# Altium PCB 3CHOE.PcbDoc (part 1 of 3) (continued)
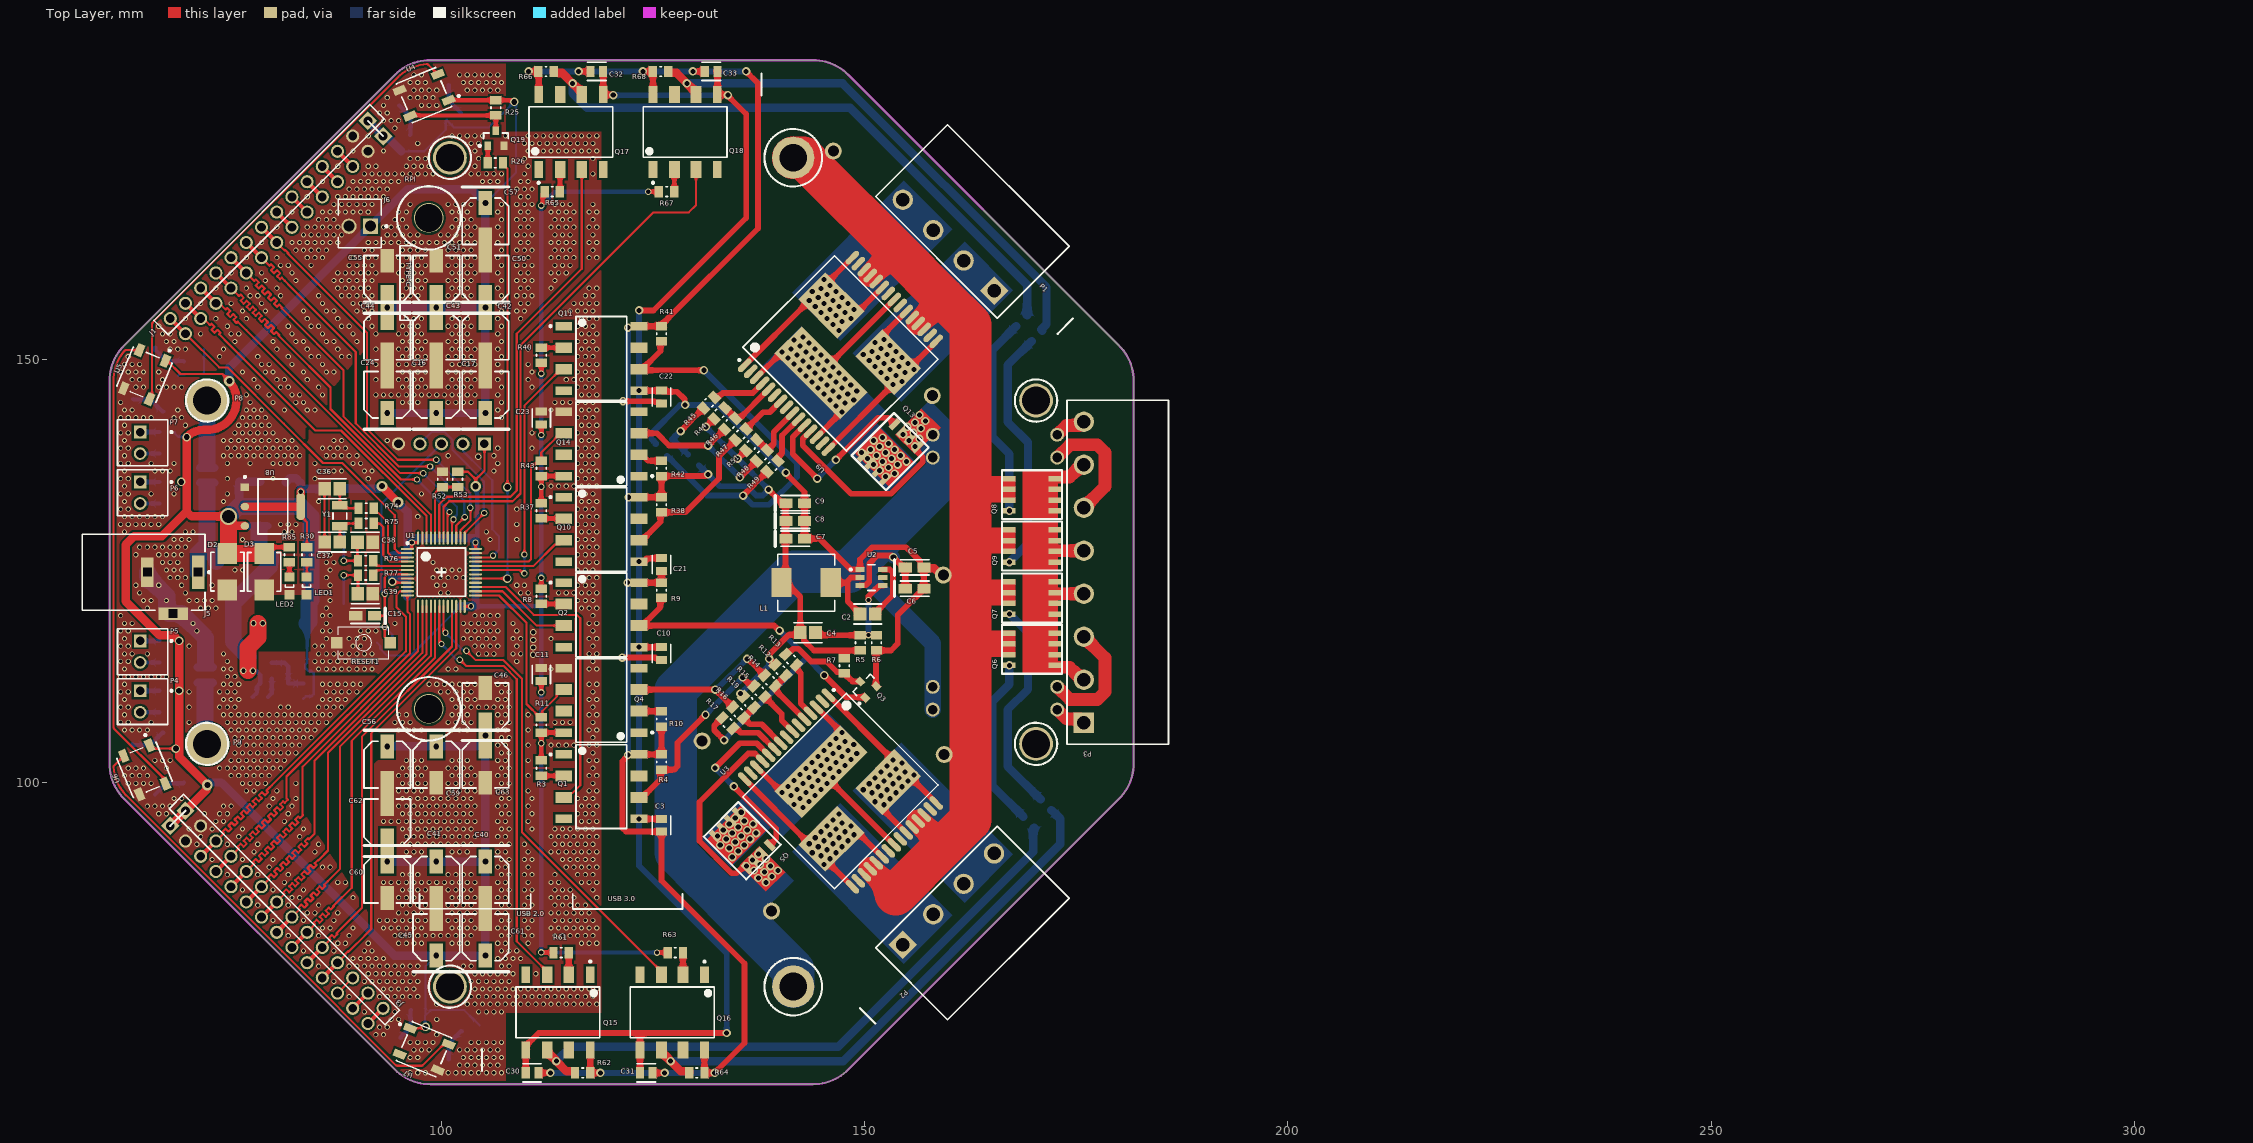
[diagram p0: Top Layer view]
## Components (designator, comment, footprint, x,y, rotation, side; value= is the part's Value field where it differs from the comment) (continued)
R3 "220" RESC2013X60X35NL10T20 111.8,101.7 r270 top
R4 "390" RESC2013X60X35NL10T20 126,102.41 r90 top
R5 "100k" RESC2013X60X35NL10T20 149.5,116.5 r90 top
R6 "22k" RESC2013X60X35NL10T20 151.4,116.5 r270 top
R7 "10k" RESC2013X60X35NL10T20 147.6,113.8 r90 top
R8 "220" RESC2013X60X35NL10T20 111.8,122 r270 top
R9 "390" RESC2013X60X35NL10T20 126,122.7 r90 top
R10 "220" RESC2013X60X35NL10T20 126,107.5 r90 top
R11 "390" RESC2013X60X35NL10T20 111.8,106.79 r90 top
R12 "3.3k" RESC2013X60X35NL10T20 140.058,113.262 r315 top locked
R13 "1k" RESC2013X60X35NL10T20 141.308,114.512 r135 top locked
R14 "1k" RESC2013X60X35NL10T20 138.808,112.012 r135 top locked
R15 "1k" RESC2013X60X35NL10T20 137.558,110.762 r135 top locked
R16 "1k" RESC2013X60X35NL10T20 135.058,108.262 r135 top locked
R17 "1k" RESC2013X60X35NL10T20 133.808,107.012 r135 top locked
R18 "390" RESC2013X60X35NL10T20 168.556,154.556 r45 bottom locked
R19 "3.3k" RESC2013X60X35NL10T20 136.308,109.512 r315 top locked
R20 "390" RESC2013X60X35NL10T20 170.356,152.756 r45 bottom locked
R21 "12FR005E" RESA90-1060X240 165.4,108.6 r180 bottom locked
R22 "12FR005E" RESA90-1060X240 165.4,111.3 r180 bottom locked
R23 "12FR005E" RESA90-1060X240 165.4,141.082 r180 bottom locked
R24 "12FR005E" RESA90-1060X240 165.4,138.382 r180 bottom locked
R25 "10k" RESC2013X60X35NL10T20 106.425,179.711 r90 top
R26 "100" RESC2013X60X35NL10T20 106.375,173.2 r0 top
R27 "5.6k" RESC2013X60X35NL10T20 101.48,178.654 r202.5 bottom locked
R28 "5.6k" RESC2013X60X35NL10T20 69.229,148.888 r247.5 bottom locked
R29 "5.6k" RESC2013X60X35NL10T20 67.472,105.036 r292.5 bottom locked
R30 "560" RESC2013X60X35NL10T20 84.1,126.9 r90 top
R31 "5.6k" RESC2013X60X35NL10T20 67.6,110.827 r0 bottom locked
R32 "5.6k" RESC2013X60X35NL10T20 67.6,116.722 r0 bottom locked
R33 "5.6k" RESC2013X60X35NL10T20 67.6,135.5 r0 bottom locked
R34 "10k" RESC2013X60X35NL10T20 67.6,108.287 r180 bottom locked
R35 "10k" RESC2013X60X35NL10T20 67.6,114.182 r180 bottom locked
R36 "10k" RESC2013X60X35NL10T20 67.6,132.96 r180 bottom locked
R37 "220" RESC2013X60X35NL10T20 111.8,132.1 r270 top
R38 "390" RESC2013X60X35NL10T20 126,132.81 r90 top
R39 "10k" RESC2013X60X35NL10T20 129.773,138.1 r315 bottom
R40 "220" RESC2013X60X35NL10T20 111.8,150.47 r90 top
R41 "390" RESC2013X60X35NL10T20 126,153.01 r90 top
R42 "220" RESC2013X60X35NL10T20 126,137.1 r90 top
R43 "390" RESC2013X60X35NL10T20 111.8,137.1 r90 top
R44 "3.3k" RESC2013X60X35NL10T20 132.864,143.614 r45 top
R45 "1k" RESC2013X60X35NL10T20 131.614,144.864 r225 top
R46 "1k" RESC2013X60X35NL10T20 134.114,142.364 r225 top
R47 "1k" RESC2013X60X35NL10T20 135.364,141.114 r225 top
R48 "1k" RESC2013X60X35NL10T20 137.864,138.614 r225 top
R49 "1k" RESC2013X60X35NL10T20 139.114,137.364 r225 top
R50 "5.6k" RESC2013X60X35NL10T20 97.238,72.785 r337.5 bottom locked
R51 "3.3k" RESC2013X60X35NL10T20 136.614,139.864 r45 top
R52 "220" RESC2013X60X35NL10T20 100.125,135.8 r270 top
R53 "220" RESC2013X60X35NL10T20 101.925,135.8 r270 top
R54 "100k" RESC2013X60X35NL10T20 83.7,110.8 r90 bottom locked
R55 "13.5k" RESC2013X60X35NL10T20 81.9,110.8 r270 bottom locked
R56 "10k" RESC2013X60X35NL10T20 97.238,176.897 r202.5 bottom locked
R57 "10k" RESC2013X60X35NL10T20 67.472,144.646 r247.5 bottom locked
R58 "10k" RESC2013X60X35NL10T20 69.229,100.794 r292.5 bottom locked
R59 "10k" RESC2013X60X35NL10T20 101.48,71.028 r337.5 bottom locked
R60 "0" RESC2013X60X35NL10T20 71.475,136.3 r270 bottom locked
R61 "220" RESC2013X60X35NL10T20 114.14,79.9 r0 top
R62 "390" RESC2013X60X35NL10T20 116.68,65.682 r0 top locked
R63 "220" RESC2013X60X35NL10T20 127.64,79.9 r0 top
R64 "390" RESC2013X60X35NL10T20 130.18,65.682 r0 top locked
R65 "220" RESC2013X60X35NL10T20 113.1,169.8 r0 top
R66 "390" RESC2013X60X35NL10T20 112.35,184 r180 top locked
R67 "220" RESC2013X60X35NL10T20 126.6,169.8 r0 top
R68 "390" RESC2013X60X35NL10T20 125.89,184 r180 top locked
R69 "5.6k" RESC2013X60X35NL10T20 67.6,141.395 r0 bottom locked
R70 "10k" RESC2013X60X35NL10T20 67.6,138.855 r180 bottom locked
R71 "0" RESC2013X60X35NL10T20 73.175,136.3 r270 bottom locked
R72 "0" RESC2013X60X35NL10T20 71.2,112.7 r270 bottom locked
R73 "0" RESC2013X60X35NL10T20 73,112.7 r270 bottom locked
R74 "0" RESC2013X60X35NL10T20 91.1,132.4 r0 top locked
R75 "0" RESC2013X60X35NL10T20 91.1,130.6 r0 top locked
R76 "0" RESC2013X60X35NL10T20 91.041,126.191 r0 top locked
R77 "0" RESC2013X60X35NL10T20 91.041,124.491 r0 top locked
R78 "0" RESC2013X60X35NL10T20 87.099,134.7 r180 bottom locked
R79 "0" RESC2013X60X35NL10T20 85.7,141.8 r90 bottom locked
R80 "5k" RESC2013X60X35NL10T20 93.3,116.5 r0 bottom
R83 "0" RESC2013X60X35NL10T20 77.4,131.2 r90 bottom locked
R84 "0" RESC2013X60X35NL10T20 79.4,131.2 r90 bottom locked
R85 "560" RESC2013X60X35NL10T20 82.035,126.9 r90 top locked
RESET1 "434113025826" 434113025826 90.8,116.5 r0 top
RPI "RPI4" RPI4 91.95,170.85 r270 top locked
SW5 "434113025826" 434113025826 97.941,181.198 r202.5 bottom locked
SW6 "434113025826" 434113025826 64.928,148.185 r247.5 bottom locked
SW7 "434113025826" 434113025826 64.928,101.497 r292.5 bottom locked
SW8 "434113025826" 434113025826 97.941,68.484 r337.5 bottom locked
U1 "STM32F100C8T6B" STM-LQFP48_L 100,124.841 r0 top locked
U2 "TPS54302DDCT" FP-DDC0006A-MFG 150.8,124.2 r0 top
U3 "VNH5019A" MultiPowerSO-30 132.682,99.794 r315 top locked
U4 "WS2812(5050)" ADA-RGB-1655_V 97.941,181.198 r202.5 top locked
U5 "WS2812(5050)" ADA-RGB-1655_V 64.928,148.185 r247.5 top locked
U6 "WS2812(5050)" ADA-RGB-1655_V 64.928,101.497 r292.5 top locked
U7 "WS2812(5050)" ADA-RGB-1655_V 97.941,68.484 r337.5 top locked
U8 "AMS1117-3.3" FP-AMS1117-IPC_C 80.075,132.6 r0 top
U9 "VNH5019A" MultiPowerSO-30 146.332,136.238 r45 top locked
U10 "TPS54302DDCT" FP-DDC0006A-MFG 78.6,113.2 r0 bottom locked
X1 "ATS16ASM-1" CTS-ATS-SM-XTAL-2 88.459,125.341 r90 bottom locked
Y1 "9HT10-32.768KDZY-T" FP-9HT10-MFG 88,131.5 r270 top locked

## Footprints (in the part's own frame and the unit in brackets; to place one, negate y for a bottom-side part, rotate by r counter-clockwise, add the part's x,y. Pads: shape width x height; smd on the part's side, far side on the other; paste and mask are expansions set on the pad)
0805_A [mm] "Chip LED, 2-Leads, Body 2.0x1.3mm, IPC Medium Density"
  rect 1.1x1.2 smd: 1(-1.05,0) 2(1.05,0)
  silkscreen extent -0.15,-0.5 0.15,0.5, body extent -1,-0.62 1,0.63, height 0.68
61900211121 [mm] "2.54mm Male Locking Header, 2p"
  rect 1.5x1.5 hole 1: 1(1.27,0.3)
  round 1.5 hole 1: 2(-1.27,0.3)
  silkscreen extent -2.71,-3.52 2.71,2.98, body extent -2.54,-2.9 2.54,2.9, height 11.53
434113025826 [mm] "6.0*3.8mm vertical type, J-Bend SMD, height 2.5mm, white actuator, 260gf, T&R"
  rect 1.35x1.4 smd: 1(-3.175,0) 2(3.175,0)
  silkscreen extent -3,-1.9 3,1.9, body extent -3.5,-1.95 3.5,1.95, height 2.5
691312510004 [mm] "5,08mm - PCB Headers - Horizontal - Opened ends - 04p"
  rect 2.4x2.4 hole 1.6: 1(-7.62,4)
  round 2.4 hole 1.6: 2(-2.54,4) 3(2.54,4) 4(7.62,4)
  silkscreen extent -10.16,-6 10.16,6, body extent -10.16,-6 10.16,6, height 8.55
691312510008 [mm] "5,08mm - PCB Headers - Horizontal - Opened ends - 08p"
  rect 2.4x2.4 hole 1.6: 1(-17.78,4)
  round 2.4 hole 1.6: 2(-12.7,4) 3(-7.62,4) 4(-2.54,4) 5(2.54,4) 6(7.62,4) 7(12.7,4) 8(17.78,4)
  silkscreen extent -20.32,-6 20.32,6, body extent -20.32,-6 20.32,6, height 8.55
ADA-RGB-1655_V [mm] "SMD, 4-Leads, Body 5x5mm"
  rect 1.5x0.9 smd: 1(-2.45,1.65) 2(-2.45,-1.65) 3(2.45,-1.65) 4(2.45,1.65)
  silkscreen extent -3.87,-2.5 2.5,2.5, body extent -2.7,-2.5 2.7,2.5, height 1.68
CTS-ATS-SM-XTAL-2 [mm] "SMD, 2-Leads, Body 11.1x4.83mm, Pitch 8.5mm"
  rect 5.5x1.5 smd: 1(-4.25,0) 2(4.25,0)
  silkscreen extent -7.67,-2.41 5.55,2.41, body extent -5.59,-2.42 5.59,2.42, height 4.3
FP-6N137-300E-MFG [mm]
  rect 1.016x2 smd paste+0 mask+0: 1(-3.81,-4.45) 4(3.81,-4.45) 5(3.81,4.45) 8(-3.81,4.45)
  rect 1.27x2 smd paste+0 mask+0: 2(-1.27,-4.45) 3(1.27,-4.45) 6(1.27,4.45) 7(-1.27,4.45)
  silkscreen extent -4.95,-6.12 4.95,3, body extent -5.05,-5.55 5.05,5.55, height 0.25
FP-9HT10-MFG [mm]
  rect 1x1.8 smd paste+0 mask+0: 1(-1.25,0) 2(1.25,0)
  silkscreen extent -0.38,-0.8 0.38,0.8, body extent -1.85,-1 1.85,1, height 0.25
FP-95402-MFG [mm]
  rect 1.72x3.2 smd paste+0 mask+0: 1(-3.205,0) 2(3.205,0)
  silkscreen extent -4.83,-3.11 3.55,3.11, body extent -3.97,-2.95 3.97,2.95, height 2.62
FP-AMS1117-IPC_C [mm]
  rect 1.004x0.872 smd paste+0 mask+0: 1(-3.295,2.29)
  rrect100% 1.004x0.872 smd paste+0 mask+0: 2(-3.295,0) 3(-3.295,-2.29)
  rrect87% 1.004x3.182 smd paste+0 mask+0: 4(3.295,0)
  silkscreen extent -3.42,-3.25 1.75,3.62, body extent -3.53,-3.25 3.53,3.25, height 1.8
FP-C0805C-DN-IPC_A [mm]
  rect 1.505x1.556 smd paste+0 mask+0: 1(-0.901,0) 2(0.901,0)
  silkscreen extent -1.65,-1.18 1.65,1.18, body extent -1,-0.63 1,0.63, height 0.88
FP-C0805C-DN-MFG [mm]
  rect 0.95x1.35 smd paste+0 mask+0: 1(-0.75,0) 2(0.75,0)
  silkscreen extent -1.1,-1.07 1.1,1.07, body extent -1.4,-0.85 1.4,0.85, height 0.25
FP-DDC0006A-MFG [mm]
  rrect17% 1.1x0.6 smd paste+0 mask+0: 1(-1.35,0.95) 2(-1.35,0) 3(-1.35,-0.95) 4(1.35,-0.95) 5(1.35,0) 6(1.35,0.95)
  silkscreen extent -2.57,-1.53 0.42,1.53, body extent -2,-1.63 2,1.63, height 0.25
FP-IHLP-2525CZ-FP_2_413x3-MFG [mil]
  rect 95x135 smd paste+0 mask+0: 1(-115,0) 2(115,0)
  silkscreen extent -132,-132 132,132, body extent -166,-136 166,136, height 10
FP-SMB-CA-MFG [mm]
  rect 2.5x2.3 smd paste+0 mask+0: 1(-2.15,0) 2(2.15,0)
  silkscreen extent -2.28,-1.97 2.28,1.97, body extent -3.5,-2.07 3.5,2.07, height 0.25
FP-TAJD-MFG [mm]
  rect 2x3 smd paste+0 mask+0: 1(-3,0) 2(3,0)
  silkscreen extent -3.75,-2.25 5.5,2.25, body extent -3.65,-2.15 3.65,2.15, height 3.11
INTR-SOT-23-3_V [mm] "SOT23, 3-Leads, Body 2.92x1.3mm, Pitch 1.9mm"
  rect 0.802x0.972 smd: 1(-0.95,-0.885) 2(0.95,-0.885) 3(0,0.885)
  silkscreen extent -2.03,-1.01 1.46,0.64, body extent -1.46,-0.65 1.46,0.65, height 1.12
KEMT-A-3216-18-2_L [mm] "Molded TAN Capacitor, 2-Leads, Body 3.4x1.8mm, IPC High Density"
  rect 1.55x1.15 smd: 1(-1.1,0) 2(1.1,0)
  silkscreen extent -2.37,-0.9 1.7,0.9, body extent -1.7,-0.9 1.7,0.9, height 1.8
LUMB-NEB21R_V [mm] "THD, 3-Leads, Body 14.5x9mm"
  rect 4x1.5 hole 1 square: 1(0,6.45)
  rect 1.5x3.5 hole 1 square: 2(4.9,3.5)
  rect 3.5x1.5 hole 1 square: C(0,0.45)
  silkscreen extent -4.5,-7.25 4.5,7.88, body extent -4.5,-7.25 5.2,7.25, height 11
MultiPowerSO-30 [mm] "SOP, 30-Leads, Body 17.20x16.00mm, Pitch 1.00mm, IPC High Density"
  oval 2x0.68 smd: 1(1.795,16.652) 2(1.795,15.652) 3(1.795,14.652) 4(1.795,13.652) 5(1.795,12.652) 6(1.795,11.652) 7(1.795,10.652) 8(1.795,9.652) 9(1.795,8.652) 10(1.795,7.652) 11(1.795,6.652) 12(1.795,5.652) 13(1.795,4.652) 14(1.795,3.652) 15(1.795,2.652) 16(19.795,2.652) 17(19.795,3.652) 18(19.795,4.652) 19(19.795,5.652) 20(19.795,6.652) 21(19.795,7.652) 22(19.795,8.652) 23(19.795,9.652) 24(19.795,10.652) 25(19.795,11.652) 26(19.795,12.652) 27(19.795,13.652) 28(19.795,14.652) 29(19.795,15.652) 30(19.795,16.652)
  rect 4.5x11 smd: 31(7.545,9.652)
  rect 4.5x6.5 smd: 32(14.045,14.402) 33(14.045,4.902)
  silkscreen extent 1.67,1 18.45,18.3, body extent 2.75,1 18.84,18.3, height 2.35
MURA-BLM21-H1-CHIP-2_V [mm] "Chip Ferrite Bead, 2-Leads, Body 2x1.25mm, Height 1.05mm"
  rect 1.4x1 smd: 1(-1.3,0) 2(1.3,0)
  body extent -1,-0.63 1,0.63, height 1.05
PNSC-FP-V-C_V [mm] "CAPAE, 2-Leads, Body 5.50x5.50mm"
  rect 2.8x1.6 smd: 1(-2.15,0) 2(2.15,0)
  silkscreen extent -4.05,-2.75 2.75,2.75, body extent -3.25,-2.75 3.25,2.75, height 6.1
"PowerFLAT™ 5x6 WF" [mm]
  rect 0.65x1.5 smd: 1(1.684,1.514) 2(2.954,1.514) 3(4.224,1.514) 4(5.494,1.514) 5(5.494,6.864) 6(4.224,6.864) 7(2.954,6.864) 8(1.684,6.864)
  Top Layer region: 0.762,3.039 6.477,3.039 6.477,7.239 0.762,7.239
  silkscreen extent 0.7,0.63 6.48,7.75, body extent 0.7,0.63 6.48,7.75, height 1
RESA90-1060X240 [mm] "THD, 2-Leads, Dia 2.4mm, Body Length 10.6mm"
  round 1.65 hole 1.15: 1(-7.35,0) 2(7.35,0)
  silkscreen extent -5.3,-1.2 5.3,1.2, body extent -5.3,-1.2 5.3,1.19, height 2.4
RESC2013X60X35NL10T20 [mm] "Chip Resistor, 2-Leads, Body 2.1x1.35mm, IPC Medium Density"
  rect 1x1.35 smd: 1(-0.9,0) 2(0.9,0)
  silkscreen extent -0.1,-0.57 0.1,0.58, body extent -1.05,-0.68 1.05,0.67, height 0.6
RPI4 [mm]
  round 3.5 hole 3.3: 0(4.15,6.55) 0(62.15,6.55)
  silkscreen extent 0.4,2.8 85.8,36.53, body extent 0.65,0.65 89.64,59.37, height 28.75
Screw-5-3.3 [mm]
  round 5 hole 3.3 paste-1000 mask+0: 1(2.286,2.286)
SMTC-SSW-114-01-X-S [mm] "SQ Post Socket, 1x14 Pins, Vertical, 2.54mm Pitch, Female"
  rect 1.55x1.55 hole 1.04: 1(0,0)
  round 1.55 hole 1.04: 2(2.54,0) 3(5.08,0) 4(7.62,0) 5(10.16,0) 6(12.7,0) 7(15.24,0) 8(17.78,0) 9(20.32,0) 10(22.86,0) 11(25.4,0) 12(27.94,0) 13(30.48,0) 14(33.02,0)
  silkscreen extent -1.53,-1.2 34.55,1.2, body extent -1.52,-1.21 34.54,1.21, height 8.51
"STM32 PR" [mm]
  rect 1.55x1.55 hole 1.02: 1(1.97,10.25)
  round 1.55 hole 1.02: 2(4.51,10.25) 3(7.05,10.25) 4(9.59,10.25) 5(12.13,10.25)
  silkscreen extent 0.32,0.22 13.78,8.73, body extent 0.45,0.22 13.65,10.57, height 4.41
STM-LQFP48_L [mm] "QFP, 48-Leads, Body 7x7mm, Pitch 0.5mm, IPC High Density"
  oval 1.55x0.25 smd: 1(-4.025,2.75) 2(-4.025,2.25) 3(-4.025,1.75) 4(-4.025,1.25) 5(-4.025,0.75) 6(-4.025,0.25) 7(-4.025,-0.25) 8(-4.025,-0.75) 9(-4.025,-1.25) 10(-4.025,-1.75) 11(-4.025,-2.25) 12(-4.025,-2.75) 25(4.025,-2.75) 26(4.025,-2.25) 27(4.025,-1.75) 28(4.025,-1.25) 29(4.025,-0.75) 30(4.025,-0.25) 31(4.025,0.25) 32(4.025,0.75) 33(4.025,1.25) 34(4.025,1.75) 35(4.025,2.25) 36(4.025,2.75)
  oval 0.25x1.55 smd: 13(-2.75,-4.025) 14(-2.25,-4.025) 15(-1.75,-4.025) 16(-1.25,-4.025) 17(-0.75,-4.025) 18(-0.25,-4.025) 19(0.25,-4.025) 20(0.75,-4.025) 21(1.25,-4.025) 22(1.75,-4.025) 23(2.25,-4.025) 24(2.75,-4.025) 37(2.75,4.025) 38(2.25,4.025) 39(1.75,4.025) 40(1.25,4.025) 41(0.75,4.025) 42(0.25,4.025) 43(-0.25,4.025) 44(-0.75,4.025) 45(-1.25,4.025) 46(-1.75,4.025) 47(-2.25,4.025) 48(-2.75,4.025)
  silkscreen extent -4.15,-2.85 2.85,3.55, body extent -3.5,-3.5 3.5,3.5, height 1.6
TECO-640456-2_V [mm] "HDR, 2-Leads, Body 5.715x5.08mm, Pitch 2.54mm"
  rect 1.8x1.8 hole 1.3: 1(1.27,0)
  round 1.8 hole 1.3: 2(-1.27,0)
  silkscreen extent -2.54,-2.54 3.26,3.17, body extent -2.54,-2.67 2.54,3.17, height 9.4

## Part data
C1 C2 C4 C12 C13 C14 C19 C20 C25 C26 C36 C37 C38 C39 C47 C48 C49 C52: library part CMP-03020-024154-1, "CAP CER 0.1UF 10V 10% X7R 0805", Capacitance="0.10 ?F", Manufacturer=KEMET, Manufacturer Part Number=C0805C104K8RACTU, Package=C0805C-DN, Temperature="-55°C to +125°C", Temperature Characteristic=X7R, Temperature Coefficient=30ppm/°C, Temperature Range High=+125°C, Temperature Range Low=-55°C, Tolerance=0.1, Voltage Rating="10 V", Automotive=No, Category=Cap, ComponentLink2Description=Datasheet, ComponentLink2URL=https://content.kemet.com/datasheets/KEM_C1003_C0G_SMD.pdf, Device Class L1="Passive Components", Device Class L2=Capacitors, Device Class L3="Ceramic Capacitors", Digikey Description="CAP CER 0.1UF 10V 10% X7R 0805", Height=0.88mm, Ipc Land Pattern Name=CAPC200125X78, Lead Free=Yes, Material=Ceramic, Mouser Description="Multilayer Ceramic Capacitors MLCC - SMD/SMT 10volts 0.1uF X7R 10%", Octopart=https://octopart.com/c0805c104k8ractu-kemet-9139201, RoHS=TRUE
C3 C10 C11 C21 C22 C23 C30 C31 C32 C33: library part CMP-03020-024154-1, "CAP CER 0.1UF 10V 10% X7R 0805", Manufacturer=KEMET, Manufacturer Part Number=C0805C104K8RACTU, Package=C0805C-DN, Temperature="-55°C to +125°C", Temperature Characteristic=X7R, Temperature Coefficient=30ppm/°C, Temperature Range High=+125°C, Temperature Range Low=-55°C, Tolerance=0.1, Voltage Rating="10 V", Automotive=No, Capacitance=100nF, Category=Cap, ComponentLink2Description=Datasheet, ComponentLink2URL=https://content.kemet.com/datasheets/KEM_C1003_C0G_SMD.pdf, Device Class L1="Passive Components", Device Class L2=Capacitors, Device Class L3="Ceramic Capacitors", Digikey Description="CAP CER 0.1UF 10V 10% X7R 0805", Height=0.88mm, Ipc Land Pattern Name=CAPC200125X78, Lead Free=Yes, Material=Ceramic, Mouser Description="Multilayer Ceramic Capacitors MLCC - SMD/SMT 10volts 0.1uF X7R 10%", Octopart=https://octopart.com/c0805c104k8ractu-kemet-9139201, RoHS=TRUE
C5 C6 C7 C8 C9 C15 C27 C28 C29 C34 C35 C53 C54: library part CMP-2000-05172-1, "Capacitor, Tantalum, 10 uF, +/- 10%, 10 V, -55 to 125 degC, 2-Pin SMD (1206), RoHS, Tape and Reel", ESR (Equivalent Series Resistance)=3.8Ohm, Lifetime @ Temp.=2000Hrs@85degC, Manufacturer=Kemet, Manufacturer Size Code=A, Operating Temperature=-55degC~125degC, Package / Case=1206(3216Metric), Package Description="2-Pin Surface Mount Device, Body 3.2 x 1.6 mm", Package Reference=1206, Standard Package=2,000, Tolerance=±10%, Voltage - Rated=10V, Catalog Drawings=T49x,T5xxSeries_A-side1T49x,T5xxSeries_A,B-side2T49x,T5xxSeries_A,SBottom, Category=Capacitors, Datasheet URL=http://www.farnell.com/datasheets/1824869.pdf, Datasheet Version=Apr-14, Family=TantalumCapacitors, Features=GeneralPurpose, Height - Seated (Max)="0.071\"(1.80mm)", Lead Spacing=-, Manufacturer URL=http://www.kemet.com/, Mounting Type=SurfaceMount, Online Catalog=T491Series, Other Names=399-3684-2, Packaging=Tape&Reel(TR), Product Training Modules=CapacitorBasics-TypicalUsesforCapacitorsDeratingGuidelinesforSurfaceMountTantalumCapacitors, Series=T491, Size / Dimension="0.126\"Lx0.063\"W(3.20mmx1.60mm)", Type=Molded
  C5 C6 C7 C8 C9 C27 C28: Capacitance=10uF
  C15 C54: Capacitance=1uF
  C29 C34 C35: Capacitance=22uF
  C53: Capacitance=4.7uF
C16 C17 C24 C40 C41 C42 C43 C44 C45 C46 C50 C51 C55 C56 C57 C59 C60 C61 C62 C63: library part CMP-2000-06213-1, "Aluminum Electrolytic Capacitor, 22 uF, +/- 20%, 25 V, 2-Pin SMD (Size Code C), -55 to 105 degC, RoHS, Tape and Reel", Case Size/Dimension=?5x5.8mm, ESR (Equivalent Series Resistance)=0.36O, Lifetime@Temperature=2000Hrs@105°C, Manufacturer=Panasonic, Operating Temp Range=-55to+105°C, Operating Temp-Max=105°C, Package Description="2-Pin Electrolytic Aluminum Capacitor, Body 5.3 x 5.3 mm", Package Reference=FP-V-C, Rated Voltage=25V, Ripple Current=240mA, Capacitance=220uF, Datasheet URL=http://industrial.panasonic.com/cdbs/www-data/pdf/RDE0000/ABA0000C1184.pdf, Datasheet Version=03/2016, Manufacturer URL=http://www.panasonic.com/, Mounting Technology=SurfaceMount, Package URL=http://industrial.panasonic.com/cdbs/www-data/pdf/RDE0000/DME0000COL48.pdf, Series=FP, Type=Can
C18: library part CMP-04424-000013-1, "CAP TANT 330UF 10% 10V 2917", Leakage Current=33uA, Manufacturer="AVX Corporation", Manufacturer Part Number=TAJD337K010RNJ, Package=TAJD, Ripple Current=408mA, Temperature="-55°C to +125°C", Temperature Range High=+125°C, Temperature Range Low=-55°C, Tolerance=10%, Voltage Rating=10V, Automotive=No, Capacitance=100uF, Category=Cap, ComponentLink2Description=Datasheet, ComponentLink2URL=http://datasheets.avx.com/TAJ.pdf, Device Class L1="Passive Components", Device Class L2=Capacitors, Device Class L3="Tantalum Capacitors", Digikey Description="CAP TANT 330UF 10% 10V 2917", Dissipation Factor=8%, Esr=0.9?, Footprint Url=http://www.avx.com/download/software/literature/AVX-Footprint-Library.pdf, Height=3.1mm, Lead Free=Yes, Life=1000Hours, Material=Tantalum, Mouser Description="Cap Tant Solid 330uF 10V D CASE 10% (7.3 X 4.3 X 2.9mm) Inward L SMD 7343-31 0.9 Ohm 125C T/R", Octopart=https://octopart.com/tajd337k010rnj-avx-9288185, RoHS=TRUE
D1: library part CMP-02539-000012-1, "DIODE SCHOTTKY 40V 3A DO214AB", Forward Current=3A, Manufacturer=Vishay, Max Junction Temp=+150°C, Max Repetitive Reverse Voltage=40V, Max Surge Forward Current=100A, Package=95402, Peak Reverse Current=0.5mA, Temperature="-55°C to +150°C", Temperature Range Low=-55°C, Automotive=No, Category=Diode, ComponentLink2Description=Datasheet, ComponentLink2URL=http://www.vishay.com/docs/88751/ss32.pdf, Device Class L1="Discrete Semiconductors", Device Class L2=Diodes, Device Class L3="Schottky Diodes", Digikey Description="DIODE SCHOTTKY 40V 3A DO214AB", Footprint Url=http://www.vishay.com/docs/95402/smc.pdf, Height=2.62mm, Lead Free=Yes, Manufacturer Part Number=SS34-E3/57T, Mouser Description="Schottky Diodes & Rectifiers 3.0 Amp 40 Volt", Octopart=https://octopart.com/ss34-e3%2F57t-vishay-39552907, RoHS=TRUE, Standoff Height=0mm, Temperature Range High=+150°C
D2 D3: library part CMP-12828-000012-1, "TVS DIODE 5V 9.2V SMB", Breakdown Voltage=6.4V, Clamping Voltage=9.2V, Manufacturer="Diodes Inc", Max Junction Temp=+150°C, Package=SMB-CA, Peak Pulse Current=65.2A, Peak Pulse Power=600W, Reverse Standoff Voltage=5V, Temperature="-55°C to +150°C", Temperature Range Low=-55°C, Automotive=No, Category=Diode, ComponentLink2Description=Datasheet, ComponentLink2URL=https://www.diodes.com/assets/Datasheets/ds19002.pdf, Device Class L1="Circuit Protection", Device Class L2="TVS Diodes", Device Class L3=unset, Digikey Description="TVS DIODE 5V 9.2V SMB", Direction=Bidirectional, Footprint Url=https://www.diodes.com/assets/Package-Files/SMB.pdf, Height=2.5mm, Lead Free=Yes, Manufacturer Part Number=SMBJ5.0CA-13-F, Mouser Description="TVS Diodes - Transient Voltage Suppressors 600W 5.0V", Number Of Channels=1, Octopart=https://octopart.com/smbj5.0ca-13-f-diodes+inc.-13025192, RoHS=TRUE, Standoff Height=0.05mm, Temperature Range High=+150°C
FB2: library part CMP-0686-00699-2, "Chip Ferrite Bead for High Digital Interface Lines, 120 Ohm, 200 mA, -55 to 125 degC, 2 x 1.25 x 1.05 mm SMD, Tape and Reel", DC Resistance="0.15 Ohm Max.", Manufacturer=Murata, Operating Temperature Range="-55 to 125 degC", Rated Current="200 mA", ComponentLink1Description="Manufacturer URL", ComponentLink1URL=http://www.murata.com/, ComponentLink2Description=Datasheet, ComponentLink2URL=http://www.murata.com/products/catalog/pdf/c31e.pdf, ComponentLink3Description="Package Specification", ComponentLink3URL=http://www.murata.com/products/catalog/pdf/c31e.pdf, DatasheetVersion=08/2013, Impedance (at 100 MHz)="120 Ohm +/- 25%", Mounting Technology="Surface Mount", PackageDescription="2-Pin Chip, Body 2 x 1.25 mm", PackageReference=BLM21_H1050-2, Packing="Tape and Reel", PartNumber=BLM21RK121SN1D
J1 J2 J3 J4: library part CMP-1023-00427-1, "SQ Post Socket, Through-hole, Vertical, -55 to 105 degC, 2.54 mm Pitch, 14-Pin, Female, RoHS", Manufacturer=Samtec, Temperature Range="-55 to 105 degC", ComponentLink1Description="Manufacturer URL", ComponentLink1URL=http://www.samtec.com, ComponentLink2Description=Datasheet, ComponentLink2URL=http://www.samtec.com/documents/webfiles/pdf/SSW_TH.PDF, ComponentLink3Description="Package Specification", ComponentLink3URL=http://www.samtec.com/documents/webfiles/cpdf/SSW-1XX-XX-XXX-X-XX-XXX-XX-MKT.pdf, DatasheetVersion=F-214, Mounting Technology=Through-hole, Orientation=Vertical, PackageDescription="Assembly, Socket Strip .016 X .031 Tail", PackageReference=SSW-114-01-X-S, PackageVersion="CA, 6/1987", PartNumber=SSW-114-01-T-S, Pitch="2.54 mm", RoHS=True
J5: library part CMP-2000-06841-1, "Jack Socket, Body 14.5 x 9 mm, Height 11 mm, -20 to 70 degC, 3-Pin THD, RoHS, Bulk", Current Rating=3A, Manufacturer=Lumberg, Maximum Operating Temperature=+70°C, Minimum Operating Temperature=-20°C, Package Description="3-Pin Through Hole Device, Body 14.5 x 9 mm, Height 11 mm", Package Reference=NEB21R, Voltage Rating=12Vdc, Body Orientation=RightAngle, Datasheet URL=https://datasheet.ciiva.com/11720/0900766b805694d6-11720273.pdf, Datasheet Version=12/2004, Manufacturer URL=http://www.lumberg.com/, Mounting Technology=ThroughHole, Mounting Type=ThroughHole, Plug/Socket=Socket, Termination Method=Solder
J6: library part CMP-2000-05417-1, "Male Header, Pitch 2.54 mm, 1 x 2 Position, Height 10.49 mm, Tail Length 3.556 mm, -55 to 105 degC, RoHS, Bulk", Color=White, Current, Rating="5 /  / A", Flammability Rating=UL94V-0, Manufacturer="TE Connectivity", Temperature, Operating="-55to+105 /  / degC", Voltage, Rating="250 /  / V", Agency Approvals=CSA,UL, Angle=Straight, Brand/Series=MTA-100Series, Color, Housing=White, Connector Type=MTA-100, Contact Centerline Spacing="0.100 /  / in.", Contact Mating Area Plating=Tin, Contact Plating=Tin, Contact Shape=Square, Contact Termination Area Plating=Tin, Datasheet URL=https://datasheet.ciiva.com/11746/0900766b80eb7fdd-11746365.pdf, Datasheet Version="Rev. W, 06/2004", Length, Overall="0.2 /  / \"", Length, Pin="0.14 /  / \"", Length, Terminal Post="0.14 /  / in.", Manufacturer URL=http://www.te.com/, Material, Contact=CopperAlloy, Material, Housing=Polyester, Mount Angle=Vertical, Mounting Hole Size="0.04 /  / \"", Mounting Type=PCMount, Number of Contacts=2, Number of Positions=2, Number of Rows=1, Pin Spacing="0.1 /  / \"", Primary Type=InterconnectSystem, Size, Post="0.025 /  / in.", Special Features=Pinstrip, Standards=RoHSCompliant,ELVCompliant,UL94V-0, Termination=Solder, Type=PCBPlug
L1 L2: library part CMP-02424-000538-1, "Commercial Inductors, High Saturation Series 4.7uH 5.5A 40m? 20%", Case Code (Imperial)=2525, Case Code (Metric)=6363, Current Rating=5.5A, DC Resistance (DCR)=40mR, Inductance Tolerance=20%, Max DC Current=10A, Max Operating Temperature=125°C, Min Operating Temperature=-55°C, Package Quantity=2000, Self Resonant Frequency=5MHz, Test Frequency=100kHz, Case/Package=2525, Contact Plating=Tin, Core Material=Metal, Depth=6.72mm, Height=3mm, Height - Seated (Max)=0.118inch, Inductance=15uH, Lead Free="Lead Free", Length=7.24mm, Military Standard=Not, Mount="Surface Mount", Number of Pins=2, Packaging="Tape and Reel", Radiation Hardening=No, RMS Current (Irms)=5.5A, Saturation Current=10A, Shielding=Shielded, Termination=SMD/SMT, Tolerance=20%, Width=0.255inch
LED1 LED2: library part CMP-1426-00010-1, "SMD mono-color Chip LED, WL-SMCW, Super Red", Color="Super Red", Manufacturer="Wuerth Elektronik", ComponentLink1Description="Manufacturer URL", ComponentLink1URL=http://www.we-online.com, ComponentLink2Description=Datasheet, ComponentLink2URL=http://katalog.we-online.com/led/datasheet/150080SS75000.pdf, PackageReference=0805_A, PartNumber=150080SS75000
P1 P2: library part CMP-1502-02171-1, "Serie 312 - 5.08mm Open Horizontal PCB Header WR-TBL, 4 pin", Manufacturer="Wurth Elektronik", Operating Temperature=-40to105degC, Datasheet URL=http://katalog.we-online.de/em/datasheet/6913125100xx.pdf, Gender=Male, Manufacturer URL=http://www.we-online.de, Mounting Technology=THT, Package Reference=691312510004, Packaging=Box, Part Number=691312510004, Pin Number=4, Pitch=5.08mm, Publisher=WurthElektronik
P3: library part CMP-1502-02175-1, "Serie 312 - 5.08mm Open Horizontal PCB Header WR-TBL, 8 pin", Manufacturer="Wurth Elektronik", Operating Temperature=-40to105degC, Datasheet URL=http://katalog.we-online.de/em/datasheet/6913125100xx.pdf, Gender=Male, Manufacturer URL=http://www.we-online.de, Mounting Technology=THT, Package Reference=691312510008, Packaging=Box, Part Number=691312510008, Pin Number=8, Pitch=5.08mm, Publisher=WurthElektronik
P4 P5 P6 P7: library part CMP-1502-00584-1, "Male Locking Header WR-WTB, THT, Vertical, pitch 2.54 mm, 1 x 2 position", Contact Resistance=20mOhm, Manufacturer="Wurth Elektronik", Operating Temperature=-40to105degC, Working Voltage=250VAC, Datasheet URL=https://katalog.we-online.de/em/datasheet/6190xx11121.pdf, Gender=Male, Manufacturer URL=http://www.we-online.de, Mounting Technology=THT, Orientation=Vertical, Package Reference=61900211121, Packaging=Bag, Part Number=61900211121, Pitch=2.54mm, Position=1x2, Publisher=WurthElektronik
P10: "Header, 5-Pin", LatestRevisionDate=17-Jul-2002, LatestRevisionNote="Re-released for DXP Platform.", Publisher="Altium Limited"
Q1 Q2 Q4 Q10 Q11 Q14 Q15 Q16 Q17 Q18: library part CMP-18400-000015-1, "OPTOISO 3.75KV OPN COLL 8DIP GW", Ambient Temperature Range High=+85°C, Ambient Temperature Range Low=-40°C, Forward Current=10mA, Forward Voltage=1.5V, Isolation Voltage=3750Vrms, Manufacturer=Broadcom, Max Supply Voltage=5.5V, Min Supply Voltage=4.5V, Package=0, Reverse Voltage=5V, Temperature="-40°C to +85°C", Automotive=No, Category=Trans, ComponentLink2Description=Datasheet, ComponentLink2URL=https://docs.broadcom.com/docs/AV02-0940EN, Device Class L1=Optoelectronics, Device Class L2=Optocouplers, Device Class L3=unset, Digikey Description="OPTOISO 3.75KV OPN COLL 8DIP GW", Height=4.455mm, Lead Free=Yes, Manufacturer Part Number=6N137-300E, Mouser Description="High Speed Optocouplers 10 Mb/s 3750Vrms", Octopart=https://octopart.com/6n137-300e-broadcom-71125550, RoHS=TRUE, Standoff Height=0.505mm, Temperature Range High=+85°C, Temperature Range Low=-40°C, Turn Off Delay Time=50ns, Turn On Delay Time=48ns
Q3 Q12 Q19: library part CMP-2000-04985-1, "N-Channel HEXFET(R) Power MOSFET, 20 V VDS, +/- 12 V VGS, 4.2 A, 3-Pin SOT23, RoHS, Tape and Reel", Drain-Source On Resistance-Max=0.045O, Drain-to-Source Voltage [Vdss]=20V, Manufacturer="International Rectifier", Package Description="3-Pin Small Outline Transistor, Body 2.92 x 1.3 mm, Pitch 0.95 mm", Package Reference=SOT-23-3, Rated Power Dissipation=1.25W, Channel Type=N-Channel, Datasheet URL=https://datasheet.ciiva.com/6383/irlml2502pbf-6383216.pdf, Datasheet Version=Apr-14, Manufacturer URL=http://internationalrectifier.com/, Qg Gate Charge=8nC
Q5 Q6 Q7 Q8 Q9 Q13: library part STL120N4LF6AG, "N-Channel 40V 120A (Tc) 96W (Tc) Surface Mount PowerFlat™ (5x6)"
R1 R2 R3 R4 R5 R6 R7 R8 R9 R10 R11 R12 R13 R14 R15 R16 R17 R18 R19 R20 R25 R26 R27 R28 R29 R30 R31 R32 R33 R34 R35 R36 R37 R38 R39 R40 R41 R42 R43 R44 R45 R46 R47 R48 R49 R50 R51 R52 R53 R54 R55 R56 R57 R58 R59 R60 R61 R62 R63 R64 R65 R66 R67 R68 R69 R70 R71 R72 R73 R74 R75 R76 R77 R78 R79 R80 R83 R84 R85: library part CMP-1659-00013-4, "Chip Resistor, 10 KOhm, +/- 1%, 0.125 W, -55 to 155 degC, 0805 (2012 Metric), RoHS, Tape and Reel", Manufacturer=Yageo, Max Operating Temperature="155 degC", Min Operating Temperature="-55 degC", Package Quantity=5000, Voltage Rating="150 V", ComponentLink1Description="Manufacturer URL", ComponentLink1URL=http://www.yageo.com/, ComponentLink2Description=Datasheet, ComponentLink2URL=http://www.yageo.com/documents/recent/PYu-RC_Group_51_RoHS_L_04.pdf, DatasheetVersion="Rev. 4, 02/2016", Height="0.5 mm", Length="2 mm", Mount="Surface Mount", Mounting Technology="Surface Mount", PackageDescription="2-Pin Surface Mounted Device, Body 2 x 1.25 mm", PackageReference=0805, Packaging="Tape and Reel", Pins=2, REACH SVHC="No SVHC", RoHSCompliant=true
R21 R22 R23 R24: library part CMP-1678-00003-4, "Axial Resistor, 5 mOhm, +/- 1%, 2 W, -55 to 275 degC, 2-Pin THD, RoHS, Bulk", Manufacturer=Ohmite, Max Operating Temperature="275 degC", Min Operating Temperature="-55 degC", Package Quantity=10, Voltage Rating="100 mV", ComponentLink1Description="Manufacturer URL", ComponentLink1URL=http://www.ohmite.com/, ComponentLink2Description=Datasheet, ComponentLink2URL=http://www.ohmite.com/cat/res_10.pdf, DatasheetVersion=06/2015, Length="10.6 mm", Mount="Through Hole", Mounting Technology="Through Hole", PackageDescription="2-Pin Axial Lead, Dia 2.4 mm, Body Length 10.6 mm", PackageReference="Axial Resistor", Packaging=Bulk, Pins=2, REACH SVHC=Unknown, RoHSCompliant=true
RESET1 SW5 SW6 SW7 SW8: library part CMP-1460-00001-1, "WS-TASV J-Bend SMD Tact Switch 6.0X3.8 mm", Manufacturer="Wuerth Elektronik", ComponentLink1Description="Manufacturer URL", ComponentLink1URL=http://www.we-online.com, ComponentLink2Description=Datasheet, ComponentLink2URL=http://katalog.we-online.de/em/datasheet/434113025826.pdf, NoPins=02, PackageReference=434113025826, PartNumber=434113025826
U1: library part CMP-0237-00142-3, "ARM Cortex-M3 32-bit MCU, 64 KB Flash, 8 KB Internal RAM, 37 I/Os, 48-pin LQFP, -40 to 85 degC, Tray", I/Os (High Current)=37, Operating Frequency(F) (Processor speed) (MHz)=24, Supply Voltage(Vcc) min (V)=2, A/D Converter="1x12-bit (10 Channel)", ComponentLink1Description="Manufacturer URL", ComponentLink1URL=http://www.st.com/web/en/home.html, ComponentLink2Description=Datasheet, ComponentLink2URL=http://www.st.com/st-web-ui/static/active/en/resource/technical/document/datasheet/CD00251732.pdf, ComponentLink3Description="Package Specification", ComponentLink3URL=http://www.st.com/st-web-ui/static/active/en/resource/technical/document/datasheet/DM00058181.pdf, Core="ARM Cortex-M3", D/A Converter="2x12-bit (2 Channel)", DatasheetVersion="Rev. 7", FLASH Size (Prog) (kB)=64, Internal RAM Size (kB)=8, Mounting Technology="Surface Mount", PackageDescription="48-Pin Low Profile Quad Flat Package, 7 x 7 mm Body, 0.5 mm Pitch", PackageReference=LQFP48, PackageVersion="Rev. 6, 06/2013", Packing=Tray, PartNumber=STM32F100C8T6B
U2 U10: library part CMP-04918-000098-1, "IC REG BUCK ADJ 3A TSOT23-6", Manufacturer="Texas Instruments", Max Junction Temp=+125°C, Max Supply Voltage=28V, Min Supply Voltage=4.5V, Nominal Supply Current=45uA, Output Current=3A, Output Voltage=0.6-26V, Package=DDC0006A, Switching Frequency=400kHz, Temperature="-40°C to +125°C", Temperature Range Low=-40°C, Automotive=No, Category=IC, ComponentLink2Description=Datasheet, ComponentLink2URL=http://www.ti.com/lit/ds/symlink/tps54302.pdf, Device Class L1="Integrated Circuits (ICs)", Device Class L2="Power Management ICs", Device Class L3="Voltage Regulators - Switching", Digikey Description="IC REG BUCK ADJ 3A TSOT23-6", Height=1.1mm, Lead Free=Yes, Manufacturer Part Number=TPS54302DDCT, Max Duty Cycle=100%, Number of Outputs=1, Octopart=https://octopart.com/tps54302ddct-texas+instruments-74209026, Output Type=AdjustableProgrammable, RoHS=TRUE, Standoff Height=0mm, Switching Topology=Buck, Temperature Range High=+125°C
U3 U9: "Automotive fully integrated H-bridge motor driver"
U4 U5 U6 U7: library part CMP-2000-05026-1, "Intelligent Control LED Integrated Light Source, 3.5 to 5.3 V, -25 to 80 degC, 4-Pin SMD, RoHS, Tape and Reel", Color=Red,Green,Blue(RGB), Manufacturer=Adafruit-Industries-LLC, Package Description="4-Pin Surface Mount Device, Body 5 x 5 mm", Package Reference=1655, Category=Optoelectronics, Configuration=Discrete, Controller Type=-, Datasheet URL=http://datasheet.octopart.com/ADA1655-Adafruit-Industries-datasheet-32028139.pdf, Datasheet Version=May-13, Family=Addressable,Specialty, Interface=-, Manufacturer URL=https://www.adafruit.com/, Mounting Type=SurfaceMount, Number of LEDs=10, Series=Neopixel, Size / Dimension=5.00mmLx5.00mmW, Utilized LED=WS2812(5050)
U8: library part CMP-209535-000001-1, "LDO Voltage Regulators 1A, 3.3V", Dropout Voltage=1.1V, Manufacturer="Advanced Monolithic Systems", Max Junction Temp=+125°C, Max Power Dissipation=1.2W, Max Supply Voltage=15V, Nominal Supply Current=5mA, Output Current=1A, Output Voltage=3.3V, Package=AMS1117, Temperature="-40°C to +125°C", Temperature Range Low=-40°C, Automotive=No, Category=IC, ComponentLink2Description=Datasheet, ComponentLink2URL=http://www.advanced-monolithic.com/pdf/ds1117.pdf, Device Class L1="Integrated Circuits (ICs)", Device Class L2="Power Management ICs", Device Class L3="Voltage Regulators - Linear", Height=1.8mm, Ipc Land Pattern Name=SOT229P700X180-4, Lead Free=Yes, Manufacturer Part Number=AMS1117-3.3, Number of Outputs=1, Octopart=https://octopart.com/ams1117-3.3-advanced+monolithic+systems-25899300, Output Type=Fixed, RoHS=TRUE, Standoff Height=0.64mm, Temperature Range High=+125°C
X1: library part CMP-0585-00002-2, "ATS-SM Series Quartz Crystal, 16 MHz, -20 to 70 degC, 11.1 x 4.83 x 4.3mm SMD, RoHS, Tape and Reel", Frequency="16 MHz", Manufacturer="CTS Corporation", Operating Temperature="-20 to 70 degC", Shunt Capacitance (C0)="7.0 pF Max", ComponentLink1Description="Manufacturer URL", ComponentLink1URL=http://www.ctscorp.com/, ComponentLink2Description=Datasheet, ComponentLink2URL=http://www.ctscorp.com/components/Datasheets/008-0309-0.pdf, ComponentLink3Description="Package Specification", ComponentLink3URL=http://www.ctscorp.com/components/Datasheets/008-0309-0.pdf, Crystal Cut=AT-Cut, DatasheetVersion="Rev. K", Drive Level (Type)="100 uW", ESR Maximum="40 Ohms", Mounting Technology="Surface Mount", Oscillation Mode="Fundamental or 3rd Overtone", PackageDescription="2-Pin SMD, Body 11.1 x 4.83 mm, Pitch 8.5 mm", PackageReference=ATS-SM-XTAL-2, Packing="Tape and Reel", PartNumber=ATS16ASM-1, RoHS=TRUE
Y1: library part CMP-18717-000007-1, "CRYSTAL 32.7680KHZ 7PF SMD", Case/Package=SMD/SMT, ESR (Equivalent Series Resistance)=70kR, Frequency=32.768kHz, Frequency Tolerance=20ppm, Load Capacitance=7pF, Max Operating Temperature=85°C, Min Operating Temperature=-40°C, Package Quantity=1, Height=0.033inch, Lead Free="Lead Free", Length=0.126inch, Mount="Surface Mount", Number of Pins=2, Packaging="Tape and Reel", REACH SVHC="No SVHC", Termination=SMD/SMT, Tolerance=20ppm, Width=1.5mm
P8 P9: LatestRevisionDate=17-Jul-2002, LatestRevisionNote="Re-released for DXP Platform.", Publisher="Altium Limited"

## Free pads (board coordinates)
  round 4 hole 3.3 paste-1000 mask+0: 37(101.003,75.875) 37(101.003,173.807) 37(170.251,145.123) 37(170.251,104.559)
  round 5 hole 3.3 paste-1000 mask+0: 37(141.567,75.875) 37(141.567,173.807)
  round 2 hole 1.3: 38(139,84.8) 39(158,145.7) 40(159.4,103.3) 41(146.3,174.6) 42(159.3,124.5) 43(130.8,104.9)

## Via types
v1: diameter 0.6, hole 0.4, Top Layer to Bottom Layer, tented both sides, 2060 vias
v2: diameter 1, hole 0.6, Top Layer to Bottom Layer, tented both sides, 297 vias
v3: diameter 0.75, hole 0.5, Top Layer to Bottom Layer, tented both sides, 45 vias
v4: diameter 1, hole 0.68, Top Layer to Bottom Layer, tented both sides, 26 vias
v5: diameter 1.27, hole 0.711, Top Layer to Bottom Layer, tented both sides, 5 vias
v6: diameter 2, hole 1.5, Top Layer to Bottom Layer, tented both sides, 1 vias

## Nets (pads, with @x,y where several pads share a name; then routed paths per layer and width w, separated by ;. In a path a pad name is that pad's centre, name@x,y a point inside that pad or via, vN(x,y) a via of type N, cw(c..) or ccw(c..) an arc to the next point about the centre after c; other vN are vias at no path point)
3.3v-M: C3.1 C4.1 C7.1 C8.1 C9.1 C10.2 C21.1 C22.2 C30.1 C31.1 C32.1 C33.1 L1.2 Q1.8 Q2.8 Q10.8 Q11.8 Q15.8 Q16.8 Q17.8 Q18.8 R4.2 R5.1 R7.2 R9.2 R10.1 R12.1 R19.1 R38.2 R39.2 R41.2 R42.1 R44.1 R51.1 R62.2 R64.2 R66.2 R68.2 | length 298.9
  Top Layer w0.68: v2(110.3,184) R66.2@111.45,184 111.49,184 Q17.8@111.49,181.3 ; C30.1@111.46,65.682 v2(112.87,65.682) ; v2(116.2,184) C32.1@117.61,184 ; Q15.8@117.58,68.382 R62.2@117.58,65.682 v2(118.77,65.682) ; v2(121.35,114.75) 125.267,114.75 125.392,114.625 125.865,114.625 C10.2@126,114.49 ; v2(121.45,145.05) 125.15,145.05 125.275,144.925 125.865,144.925 C22.2@126,144.79 ; v2(122,123.6) 122.005,123.605 123.345,123.605 Q2.8@123.35,123.61 123.355,123.605 125.995,123.605 126,123.61 C21.1@126,125 ; v2(122.042,103.242) 122.042,103.155 121.4,102.513 121.4,94.588 121.798,94.19 C3.1@126,94.19 126,88.4 135.8,78.6 135.8,69.212 v2(132.27,65.682) R64.2@131.08,65.682 Q16.8@131.08,68.382 ; Q1.8@123.35,103.31 R4.2@126,103.31 R10.1@126,106.6 ; Q10.8@123.35,133.71 R38.2@126,133.71 R42.1@126,136.2 131.213,136.2 131.413,136.4 v2(131.5,136.4) ; Q11.8@123.35,153.91 R41.2@126,153.91 ; v2(123.8,184) R68.2@124.99,184 Q18.8@124.99,181.3 ; C31.1@124.96,65.682 v2(126.37,65.682) ; R41.2@126,154.06 126.325,154.06 126.335,154.07 126.335,154.395 137.4,165.46 137.4,182.6 v2(136,184) ; v2(129.7,184) C33.1@131.11,184 ; v2(131.25,142) R44.1@132.227,142.977 ; v2(135,138.25) R51.1@135.977,139.227 ; v2(135.331,110.489) R19.1@135.671,110.149 ; v2(138.65,134.6) 140.016,133.234 140.465,133.234 C9.1@140.7,132.999 140.65,132.949 140.65,123.65 140.6,123.6 140.75,123.6 142.399,121.951 C4.1@142.399,117.7 ; R12.1@139.421,113.899 v2(138.72,114.6) 138.781,114.661 138.781,115.181 141.043,117.443 142.142,117.443 C4.1@142.399,117.7 ; R7.2@147.6,114.7 147.6,115.6 ; R5.1@149.5,115.6 147.6,115.6 ; C4.1@142.399,117.7 142.812,117.288 142.812,116.795 144.007,115.6 147.6,115.6
  Bottom Layer w0.68: v2(110.3,184) v2(116.2,184) v2(123.8,184) v2(129.7,184) v2(136,184) ; v2(112.87,65.682) v2(118.77,65.682) v2(126.37,65.682) v2(132.27,65.682) ; v2(121.35,114.75) 122.042,114.75 ; v2(121.45,145.05) 122.042,145.05 ; v2(122.042,103.242) 122.042,114.75 ; v2(122.042,153.742) 122.042,145.05 ; R39.2@130.409,137.464 132.873,135 136.1,135 137.2,133.9 137.95,133.9 v2(138.65,134.6) v2(135,138.25) v2(131.25,142) ; v2(135.331,110.489) 138.686,113.844 138.686,114.566 v2(138.72,114.6) ; 122.042,114.75 122.042,145.05
  other v2: 122.1,133.7
+3.3: C18.2 R30.2 R78.2 U8.2 U8.4 | length 19.7
  Top Layer w0.254: U8.4@83.37,132.6 83.37,131.511 84.1,130.781 R30.2@84.1,127.8
  Top Layer w1: U8.2@76.78,132.6 U8.4@83.37,132.6 83.368,132.602 v3(83.368,134.332)
  Bottom Layer w1: C18.2@81.6,135.453 82.1,135.952 C18.2@82.454,135.952 82.8,135.952 83.368,135.385 83.368,134.7 v3(83.368,134.332) 83.736,134.7 R78.2@86.199,134.7
\RST: C15.1 P10.3 R80.2 RESET1.2 U1.7 | length 35.1
  Top Layer w0.254: C15.1@92.074,119.687 93.298,119.687 93.3,119.688 v3(93.3,118.4) 93.3,117.2 93.975,116.525 RESET1.2@93.975,116.5 ; 93.3,119.688 v3(93.3,122.3) 93.3,124.225 93.666,124.591 U1.7@95.975,124.591
  Bottom Layer w0.254: v3(93.3,122.3) 92.9,122.7 92.9,132.9 P10.3@100,140 ; v3(93.3,118.4) 94.2,117.5 R80.2@94.2,116.5
CCW: Q11.6 Q12.1 R41.1 R49.2 | length 52.6
  Top Layer w0.68: R41.1@126,152.11 125.873,151.983 125.873,150.988 123.715,148.83 Q11.6@123.35,148.83 123.48,148.7 v2(131,148.7) ; v2(135.65,133.9) R49.2@138.477,136.727
  Bottom Layer w0.68: Q12.1@126.646,138.602 131.348,133.9 v2(135.65,133.9) 136.75,132.8 138.7,132.8 142,136.1 142,137.7 v2(131,148.7)
CCW-1: Q2.6 Q3.1 R9.1 R17.2 | length 51.7
  Top Layer w0.68: Q2.6@123.35,118.53 Q2.6@123.715,118.53 ; R9.1@126,121.8 125.864,121.664 125.864,120.679 Q2.6@123.715,118.53 ; R17.2@133.171,107.649 132.243,106.72 132.243,106.157 v2(133.4,105) ; v2(139.95,117.95) 139.863,117.95 139.283,118.53 Q2.6@123.715,118.53 ; v2(145.231,112.669) 147.837,110.063 149.994,110.063 Q3.1@150.054,110.002
  Bottom Layer w0.68: v2(133.4,105) 143.1,114.7 143.2,114.7 v2(145.231,112.669) ; v2(139.95,117.95) 143.15,114.75